# Altium PCB DM0255.PcbDoc (continued)
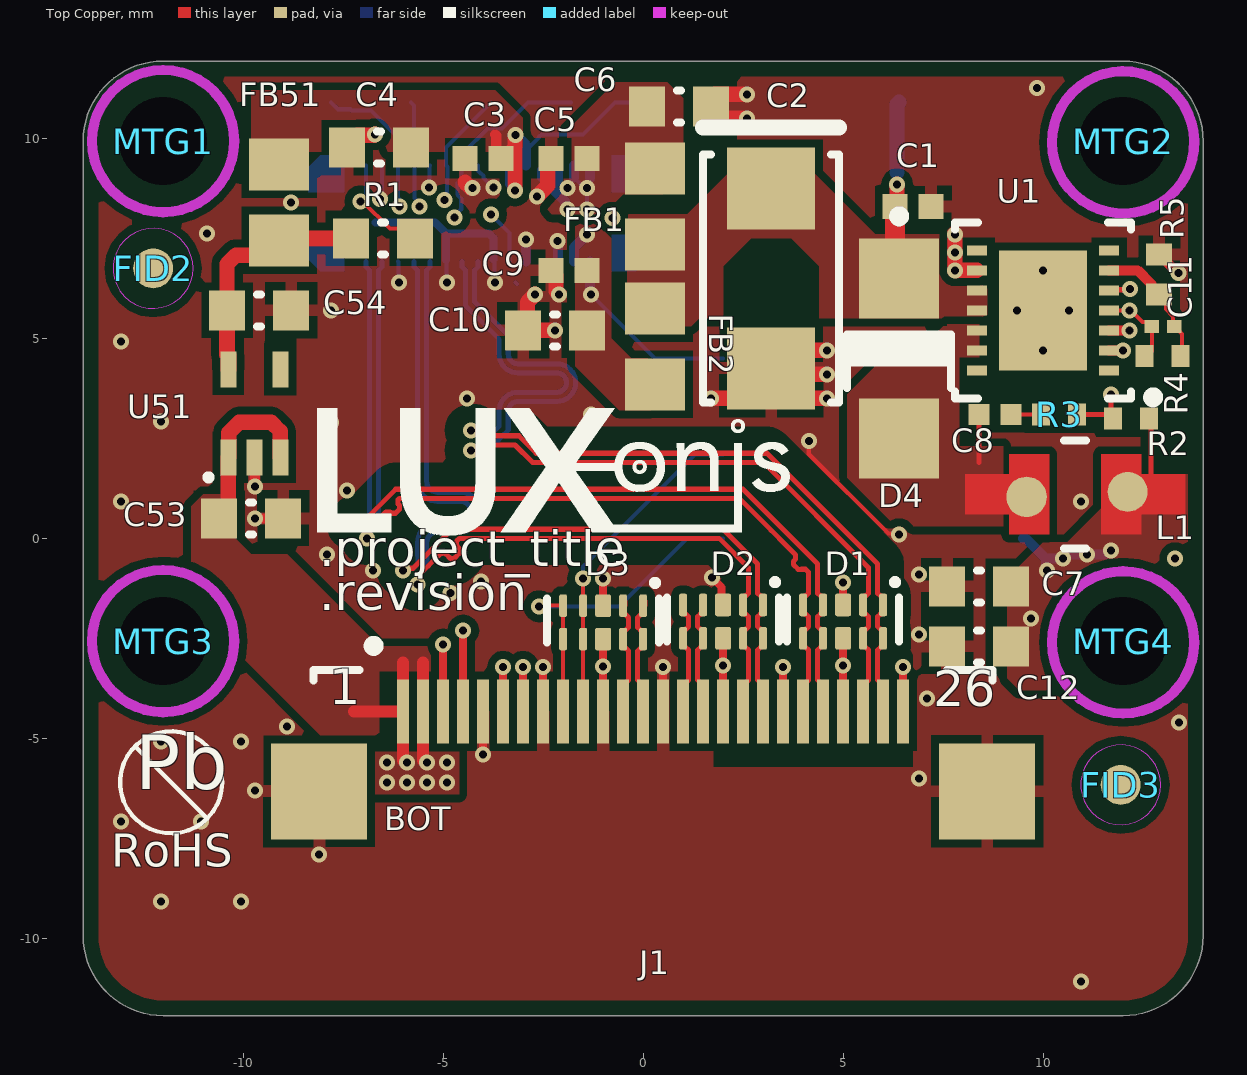
[diagram p0: Top Copper view]
## Part data (continued)
R2: library part CRCW040290K9FKED, "Fixed Resistor, Metal Glaze/thick Film, 0.063W, 90900ohm, 50V, 1% +/-Tol, 100ppm/Cel, Surface Mount, 0402", Manufacturer 1=Vishay, Max Operating Temperature=155°C, Min Operating Temperature=-55°C, Package Height=0.35mm, Package Length=1mm, Package Shape=Rectangular, Package Style=SMTMeter, Package Width=0.5mm, Rated Power Dissipation (P)=63mW, Rated Temperature=70°C, Resistance=90.9kR, Resistor Type="FIXED RESISTOR", Supplier Part Number 1=6789639, Temperature Coefficient=100ppm/°C, Tolerance=1%, Working Voltage=50V, Category="Chip SMD Resistors", ComponentLink1Description=https://datasheet.ciiva.com:443/pdfs/VipMasterIC/IC/VISH/VISH-S-A0007266705/VISH-S-A0007266705-1.pdf?src-supplier=IHS+Markit, ComponentLink1URL=https://datasheet.ciiva.com:443/pdfs/VipMasterIC/IC/VISH/VISH-S-A0007266705/VISH-S-A0007266705-1.pdf?src-supplier=IHS+Markit, ComponentLink2Description=https://datasheet.ciiva.com/11809/0900766b80d98824-11809982.pdf?src-supplier=RSComponents, ComponentLink2URL=https://datasheet.ciiva.com/11809/0900766b80d98824-11809982.pdf?src-supplier=RSComponents, ComponentLink3Description=https://datasheet.ciiva.com/2463/dcrcwe3-2463792.pdf?src-supplier=Digi-Key, ComponentLink3URL=https://datasheet.ciiva.com/2463/dcrcwe3-2463792.pdf?src-supplier=Digi-Key, ComponentLink4Description=https://datasheet.ciiva.com/16763/70201119-16763494.pdf?src-supplier=Allied+Electronics, ComponentLink4URL=https://datasheet.ciiva.com/16763/70201119-16763494.pdf?src-supplier=Allied+Electronics, ComponentLink5Description=https://datasheet.ciiva.com/5919/1697337-5919063.pdf?src-supplier=Farnell, ComponentLink5URL=https://datasheet.ciiva.com/5919/1697337-5919063.pdf?src-supplier=Farnell, ComponentLink6Description=https://datasheet.ciiva.com/7816/1697337-7816027.pdf?src-supplier=Element14, ComponentLink6URL=https://datasheet.ciiva.com/7816/1697337-7816027.pdf?src-supplier=Element14, ComponentLink7Description=https://datasheet.ciiva.com/7743/125364-7743772.pdf?src-supplier=Element14, ComponentLink7URL=https://datasheet.ciiva.com/7743/125364-7743772.pdf?src-supplier=Element14, ComponentLink8Description=https://datasheet.ciiva.com/7816/1697337-7816028.pdf?src-supplier=Element14, ComponentLink8URL=https://datasheet.ciiva.com/7816/1697337-7816028.pdf?src-supplier=Element14, ComponentLink9Description=https://datasheet.ciiva.com/2463/dcrcwe3-2463790.pdf?src-supplier=Digi-Key, ComponentLink9URL=https://datasheet.ciiva.com/2463/dcrcwe3-2463790.pdf?src-supplier=Digi-Key, ComponentLink10Description=https://datasheet.ciiva.com/5548/dcrcwe3-109170-5548606.pdf?src-supplier=Mouser, ComponentLink10URL=https://datasheet.ciiva.com/5548/dcrcwe3-109170-5548606.pdf?src-supplier=Mouser, ComponentLink11Description=https://datasheet.ciiva.com/2463/dcrcwe3-2463791.pdf?src-supplier=Digi-Key, ComponentLink11URL=https://datasheet.ciiva.com/2463/dcrcwe3-2463791.pdf?src-supplier=Digi-Key, ComponentLink12Description=https://datasheet.ciiva.com/3256/dcrcwe3-3256879.pdf?src-supplier=Avnet, ComponentLink12URL=https://datasheet.ciiva.com/3256/dcrcwe3-3256879.pdf?src-supplier=Avnet, Construction=Chip, JESD-609 Code=e3, Manufacturer Part Number 1=CRCW040290K9FKED, Mount="Surface Mount", Number of Pins=2, Packaging="Tape and Reel", Pricing 1="50=0,05200, 250=0,04800, 500=0,04500, 1000=0,04300, 2500=0,03900 (USD)", REACH SVHC=Yes, Reference Standard=AEC-Q200, RoHS=Yes, RoHS Compliant=Yes, Size Code=0402, Stock 1=1, Supplier 1=RSComponents, Technology="METAL GLAZE/THICK FILM", Terminal Finish=Nickel, Termination=Wraparound
R3: library part CRCW040235K7FKED, "Fixed Resistor, Metal Glaze/thick Film, 0.063W, 35700ohm, 50V, 1% +/-Tol, 100ppm/Cel, Surface Mount, 0402", Manufacturer 1=Vishay, Max Operating Temperature=155°C, Min Operating Temperature=-55°C, Package Height=0.35mm, Package Length=1mm, Package Shape=Rectangular, Package Style=SMTMeter, Package Width=0.5mm, Rated Power Dissipation (P)=63mW, Rated Temperature=70°C, Resistance=35.7kR, Resistor Type="FIXED RESISTOR", Supplier Part Number 1=541-35.7KLCT-ND, Temperature Coefficient=100ppm/°C, Tolerance=1%, Working Voltage=50V, Category="Chip SMD Resistors", ComponentLink1Description=https://datasheet.ciiva.com:443/pdfs/VipMasterIC/IC/VISH/VISH-S-A0007266705/VISH-S-A0007266705-1.pdf?src-supplier=IHS+Markit, ComponentLink1URL=https://datasheet.ciiva.com:443/pdfs/VipMasterIC/IC/VISH/VISH-S-A0007266705/VISH-S-A0007266705-1.pdf?src-supplier=IHS+Markit, ComponentLink2Description=https://datasheet.ciiva.com/2495/dcrcwe3-2495171.pdf?src-supplier=Digi-Key, ComponentLink2URL=https://datasheet.ciiva.com/2495/dcrcwe3-2495171.pdf?src-supplier=Digi-Key, ComponentLink3Description=https://datasheet.ciiva.com/2495/dcrcwe3-2495172.pdf?src-supplier=Digi-Key, ComponentLink3URL=https://datasheet.ciiva.com/2495/dcrcwe3-2495172.pdf?src-supplier=Digi-Key, ComponentLink4Description=https://datasheet.ciiva.com/22705/1697337-22705820.pdf?src-supplier=Element14, ComponentLink4URL=https://datasheet.ciiva.com/22705/1697337-22705820.pdf?src-supplier=Element14, ComponentLink5Description=https://datasheet.ciiva.com/2495/dcrcwe3-2495170.pdf?src-supplier=Digi-Key, ComponentLink5URL=https://datasheet.ciiva.com/2495/dcrcwe3-2495170.pdf?src-supplier=Digi-Key, ComponentLink6Description=https://datasheet.ciiva.com/7743/125364-7743609.pdf?src-supplier=Element14, ComponentLink6URL=https://datasheet.ciiva.com/7743/125364-7743609.pdf?src-supplier=Element14, ComponentLink7Description=https://datasheet.ciiva.com/5545/dcrcwe3-109170-5545132.pdf?src-supplier=Mouser, ComponentLink7URL=https://datasheet.ciiva.com/5545/dcrcwe3-109170-5545132.pdf?src-supplier=Mouser, ComponentLink8Description=https://datasheet.ciiva.com/22869/70201119-22869919.pdf?src-supplier=Allied+Electronics, ComponentLink8URL=https://datasheet.ciiva.com/22869/70201119-22869919.pdf?src-supplier=Allied+Electronics, Construction=Chip, JESD-609 Code=e3, Manufacturer Part Number 1=CRCW040235K7FKED, Mount="Surface Mount", Number of Pins=2, Packaging="Tape and Reel", Pricing 1="1=0,10000, 10=0,03800, 100=0,01530, 1000=0,00686, 2500=0,00595, 5000=0,00492 (USD)", REACH SVHC=Yes, Reference Standard=AEC-Q200, RoHS=Yes, RoHS Compliant=Yes, Size Code=0402, Stock 1=8444, Supplier 1=Digi-Key, Technology="METAL GLAZE/THICK FILM", Terminal Finish=Nickel, Termination=Wraparound
R4: library part RC0402FR-0740K2L, "RES SMD 40.2K OHM 1% 1/16W 0402", Case Code (Imperial)=0402, Case Code (Metric)=1005, Manufacturer 1=Yageo, Max Operating Temperature=155°C, Max Power Dissipation=63mW, Min Operating Temperature=-55°C, Package Quantity=1, Power Rating=62.5mW, Resistance=40.2kR, Supplier Part Number 1=311-40.2KLRCT-ND, Temperature Coefficient=100ppm/°C, Tolerance=1%, Voltage Rating=50V, Case/Package=0402, ComponentLink1Description=https://datasheet.ciiva.com/2453/pyu-r-int-thick-7-2453437.pdf?src-supplier=Digi-Key, ComponentLink1URL=https://datasheet.ciiva.com/2453/pyu-r-int-thick-7-2453437.pdf?src-supplier=Digi-Key, ComponentLink2Description=https://datasheet.ciiva.com/2453/pyu-r-int-thick-7-2453438.pdf?src-supplier=Digi-Key, ComponentLink2URL=https://datasheet.ciiva.com/2453/pyu-r-int-thick-7-2453438.pdf?src-supplier=Digi-Key, ComponentLink3Description=https://datasheet.ciiva.com/8889/pyu-rc0402-51-rohs-l-6-8889263.pdf?src-supplier=Avnet, ComponentLink3URL=https://datasheet.ciiva.com/8889/pyu-rc0402-51-rohs-l-6-8889263.pdf?src-supplier=Avnet, ComponentLink4Description=https://datasheet.ciiva.com/28400/pyu-rc0402-51-rohs-l-6-28400199.pdf?src-supplier=Avnet+Europe, ComponentLink4URL=https://datasheet.ciiva.com/28400/pyu-rc0402-51-rohs-l-6-28400199.pdf?src-supplier=Avnet+Europe, ComponentLink5Description=https://datasheet.ciiva.com/2453/pyu-r-int-thick-7-2453436.pdf?src-supplier=Digi-Key, ComponentLink5URL=https://datasheet.ciiva.com/2453/pyu-r-int-thick-7-2453436.pdf?src-supplier=Digi-Key, ComponentLink6Description=https://datasheet.ciiva.com/5557/pyu-rc0402-51-rohs-l-6-r-5557981.pdf?src-supplier=Mouser, ComponentLink6URL=https://datasheet.ciiva.com/5557/pyu-rc0402-51-rohs-l-6-r-5557981.pdf?src-supplier=Mouser, ComponentLink7Description=https://datasheet.ciiva.com/16744/pyu-rc0402-51-rohs-l-6-r-16744286.pdf?src-supplier=Future+Electronics, ComponentLink7URL=https://datasheet.ciiva.com/16744/pyu-rc0402-51-rohs-l-6-r-16744286.pdf?src-supplier=Future+Electronics, ComponentLink8Description=https://datasheet.ciiva.com/16857/pyu-rc0402-51-rohs-l-6-16857071.pdf?src-supplier=Avnet+Europe, ComponentLink8URL=https://datasheet.ciiva.com/16857/pyu-rc0402-51-rohs-l-6-16857071.pdf?src-supplier=Avnet+Europe, Composition="Thick Film", Contact Plating=Tin,Matte, Depth=0.5mm, Features="Moisture Resistant", Height=0.016inch, Lead Free="Lead Free", Length=0.039inch, Manufacturer Part Number 1=RC0402FR-0740K2L, Military Standard=Not, Number of Terminations=2, Packaging="Tape and Reel", Pricing 1="1=0.10000, 10=0.01600, 100=0.00640, 1000=0.00289, 2500=0.00251, 5000=0.00207 (USD)", RoHS=Yes, Stock 1=1379708, Supplier 1=Digi-Key, Supplier 2=Mouser, Supplier 3=TTI, Supplier Part Number 2=603-RC0402FR-0740K2L, Supplier Part Number 3=RC0402FR-0740K2L, Termination=SMD/SMT, Voltage Rating (DC)=50V, Width=0.02inch
R5: library part RC0402FR-0722K1L, "RES SMD 22.1K OHM 1% 1/16W 0402", Case Code (Imperial)=0402, Case Code (Metric)=1005, Manufacturer 1=Yageo, Max Operating Temperature=155°C, Max Power Dissipation=63mW, Min Operating Temperature=-55°C, Package Quantity=1, Power Rating=62.5mW, Resistance=22.1kR, Supplier Part Number 1=311-22.1KLRCT-ND, Temperature Coefficient=100ppm/°C, Tolerance=1%, Voltage Rating=50V, Case/Package=0402, Category="Chip SMD Resistors", ComponentLink1Description=https://datasheet.ciiva.com/2553/pyu-r-int-thick-7-2553200.pdf?src-supplier=Digi-Key, ComponentLink1URL=https://datasheet.ciiva.com/2553/pyu-r-int-thick-7-2553200.pdf?src-supplier=Digi-Key, ComponentLink2Description=https://datasheet.ciiva.com/2553/pyu-r-int-thick-7-2553201.pdf?src-supplier=Digi-Key, ComponentLink2URL=https://datasheet.ciiva.com/2553/pyu-r-int-thick-7-2553201.pdf?src-supplier=Digi-Key, ComponentLink3Description=https://datasheet.ciiva.com/2553/pyu-r-int-thick-7-2553202.pdf?src-supplier=Digi-Key, ComponentLink3URL=https://datasheet.ciiva.com/2553/pyu-r-int-thick-7-2553202.pdf?src-supplier=Digi-Key, ComponentLink4Description=https://datasheet.ciiva.com/15189/getdatasheetpartid-251817-15189388.pdf?src-supplier=Verical, ComponentLink4URL=https://datasheet.ciiva.com/15189/getdatasheetpartid-251817-15189388.pdf?src-supplier=Verical, ComponentLink5Description=https://datasheet.ciiva.com/7983/1018594-7983501.pdf?src-supplier=Element14, ComponentLink5URL=https://datasheet.ciiva.com/7983/1018594-7983501.pdf?src-supplier=Element14, Composition="Thick Film", Depth=0.5mm, Features="Moisture Resistant", Height=0.016inch, Lead Free="Lead Free", Length=1mm, Manufacturer Part Number 1=RC0402FR-0722K1L, Military Standard=Not, Number of Terminations=2, Packaging="Tape and Reel", Pricing 1="1=0.10000, 10=0.01600, 100=0.00640, 1000=0.00289, 2500=0.00251, 5000=0.00207 (USD)", REACH SVHC="No SVHC", RoHS=Yes, Stock 1=22819, Supplier 1=Digi-Key, Supplier 2=Digi-Key, Supplier 3="Future Electronics", Supplier 4=Mouser, Supplier Part Number 2=311-22.1KLRTR-ND, Supplier Part Number 3=RC0402FR-0722K1L-CUTT, Supplier Part Number 4=603-RC0402FR-0722K1L, Termination=SMD/SMT, Voltage Rating (DC)=50V, Width=0.02inch, Working Voltage=50V
TP1 TP2 TP3 TP4 TP5 TP6 TP7 TP8 TP50 TP51 TP52 TP55 TP56 TP57: library part TEST_POINT
U1: "General Purpose, Gated Oscillator Based, DC/DC Boost Converter, 14-pin LLP", Manufacturer="National Semiconductor", Manufacturer 1="Texas Instruments", PackageTopMarking=NS*UZXYTT*2623AB, PowerWise=N, ComponentLink1Description="LM2623 Datasheet", ComponentLink1URL=http://www.national.com/ds/LM/LM2623.pdf, ComponentLink2Description="LM2623 Web Page", ComponentLink2URL=http://www.national.com/pf/LM/LM2623.html, ComponentLink3Description="LDA14A Package Page", ComponentLink3URL=http://www.national.com/packaging/folders/lda14a.html, CompType=MiscPower, DatasheetVersion=Dec-2005, Manufacturer Part Number 1=LM2623LD, PackageDescription="LLP, Plastic, Dual, 4 x 4 x 0.75mm Body, 14 Lead, 0.5mm Pitch", PackageReference=LDA14A, PackageVersion="revA, Aug-2000", PinCount=14, RevisionNote="Component URLs added", RoHS=N
U51: "IC REG LINEAR 1.8V 200MA SC70-5 Linear Voltage Regulator IC  1 Output  200mA SC-70-5", Case/Package=SC, Dropout Voltage=175mV, Manufacturer 1="Texas Instruments", Manufacturer Part Number 1=TLV70018DCKR, Manufacturer Part Number 2=TLV70018DCKT, Max Input Voltage=5.5V, Max Operating Temperature=125°C, Max Output Current=200mA, Max Output Voltage=1.8V, Max Power Dissipation=320mW, Min Current Limit=220mA, Min Input Voltage=2V, Min Operating Temperature=-40°C, Nominal Supply Current=31uA, Output Voltage Accuracy=2%, Package Quantity=1, Quiescent Current=30uA, Supplier Part Number 1=296-32409-1-ND, Accuracy=2%, ComponentLink1Description=https://datasheet.ciiva.com/41462/001014631-da-01-en-ic-reg-ldo-1-8v-0-tlv70018dckr-sot-5-tid-41462480.pdf?src-supplier=Conrad, ComponentLink1URL=https://datasheet.ciiva.com/41462/001014631-da-01-en-ic-reg-ldo-1-8v-0-tlv70018dckr-sot-5-tid-41462480.pdf?src-supplier=Conrad, ComponentLink2Description=https://datasheet.ciiva.com/22700/1882059-22700171.pdf?src-supplier=Element14, ComponentLink2URL=https://datasheet.ciiva.com/22700/1882059-22700171.pdf?src-supplier=Element14, ComponentLink3Description=https://datasheet.ciiva.com/14149/tlv700-eng-ds-14149837.pdf?src-supplier=Distrelec, ComponentLink3URL=https://datasheet.ciiva.com/14149/tlv700-eng-ds-14149837.pdf?src-supplier=Distrelec, ComponentLink4Description=https://datasheet.ciiva.com/7992/1882059-7992894.pdf?src-supplier=Element14, ComponentLink4URL=https://datasheet.ciiva.com/7992/1882059-7992894.pdf?src-supplier=Element14, Contact Plating=Gold, Height=1mm, Lead Free="Lead Free", Length=2.15mm, Manufacturer 2="Texas Instruments", Min Output Voltage=1.8V, Nominal Output Voltage=1.8V, Number of Outputs=1, Number of Pins=5, Number of Regulators=1, Output Current=200mA, Output Type=Fixed, Output Voltage=1.8V, Packaging="Tape and Reel", Polarity=Positive, Power Dissipation=320mW, Power Rating=320mW, Pricing 1="1=0.48000, 10=0.40900, 100=0.30570, 500=0.24020, 1000=0.18561 (USD)", Pricing 2="1=0.55000, 10=0.46700, 100=0.34900 (USD)", Radiation Hardening=No, REACH SVHC="No SVHC", RoHS=Yes, Stock 1=63905, Stock 2=13188, Supplier 1=Digi-Key, Supplier 2=Digi-Key, Supplier Part Number 2=296-25269-1-ND, Width=1.4mm

## Via types
v1: diameter 0.4, hole 0.2, Top Copper to Bottom Layer, tented both sides, 118 vias
v2: diameter 0.51, hole 0.2, Top Copper to Bottom Layer, 4 vias

## Nets (pads, with @x,y where several pads share a name; then routed paths per layer and width w, separated by ;. In a path a pad name is that pad's centre, name@x,y a point inside that pad or via, vN(x,y) a via of type N, cw(c..) or ccw(c..) an arc to the next point about the centre after c; other vN are vias at no path point)
1V8: C54.2 FB51.1 R1.2 U51.5 | length 6
  Top Copper w0.381: C54.2 -10.4,6.857 -10.177,7.081 -9.469,7.081 FB51.1
  Top Copper w0.4: C54.2 -10.4,4.6 -10.371,4.571 U51.5 ; FB51.1 -9.05,7.5 R1.2
1V8_M: C3.2 C4.2 FB51.2 J2.10 J2.12 J2.14 TP51.1 | length 8.8
  Top Copper w0.254: -3.7,10.1 -3.672,10.072 -3.672,9.622 C3.2 -3.2,9.85
  Top Copper w0.38: v1(-3.2,8.7) -3.2,9.85 -3.2,10.066 -3.194,10.072 -3.194,10.086 v1(-3.19,10.09)
  Bottom Layer w0.102: v1(-3.2,8.7) v1@-3.2,8.74
  Bottom Layer w0.104: J2.14 J2.12 J2.10 ; v1(-3.19,10.09) -3.19,10.01 -2.925,9.745 -2.9,9.72 -2.6,10.02 -2.6,10.039 -2.539,10.1 -2.162,10.1 ; -2.151,10.1 -1.5,10.1 ; -1.493,10.107 -0.7,10.9 TP51.1
  Bottom Layer w0.254: J2.12 -3.325,8.864 v1@-3.2,8.74 ; v1(-3.19,10.09) -2.925,9.825 -2.925,9.745 J2.10
3V3: C7.2 C12.2 C53.2 J1.1 J1.2 L1.1 R2.2 TP50.1 U51.1 U51.3 | length 15.2
  Top Copper w0.127: 12.7,1.2 12.7,1.4 R2.2@12.7,3
  Top Copper w0.2: J1.1@-6,-4.391 J1.1
  Top Copper w0.3: -7.225,-4.325 J1.1 ; v1@-6,-5.55 J1.1 ; -6,-3.1 J1.1 ; v1@-5.5,-5.55 J1.2 -5.5,-3.1
  Top Copper w0.381: C53.2 -10.371,0.729 U51.1 -10.362,2.034 -10.362,2.638 -10.1,2.9 -9.294,2.9 -9.071,2.677 U51.3
  Bottom Layer w0.254: TP50.1 9.56,0 10.06,-0.5 10.08,-0.5 ; v1@10.1,-0.82 10.08,-0.8 10.08,-0.5 ; v1(10.5,-0.5) 10.08,-0.5 ; v1@10.54,-0.5 10.64,-0.4 v1(11.1,-0.4) ; v1@11.06,-0.4 11.56,-0.4 11.633,-0.328 v1@11.672,-0.367
  other v1: -6.398,-6.098 -5.898,-6.098 -5.398,-6.098 -4.898,-6.098 -6.398,-5.598 -5.898,-5.598 -5.398,-5.598 -4.898,-5.598 9.7,-2 10.1,-0.8 11.7,-0.3
3V6_M: C9.2 C10.2 FB2.2 J2.1 J2.3 TP7.1 | length 5.6
  Bottom Layer w0.102: v1@-1.325,6.125 v1(-1.3,6.1) 0.3,4.5 TP7.1
  Bottom Layer w0.254: J2.3 -1.725,7.275 v1(-1.4,7.6) ; v1@-1.325,6.125 J2.1
AUX_IO1: J1.3 J2.20 TP1.1 | length 20.9
  Top Copper w0.2: J1.3 v1(-5,-2.658)
  Layer 1 w0.102: v1(-5,-2.658) -5.052,-2.658 -5.209,-2.502 -6.898,-2.502 -8.544,-0.856 -8.544,6.656 -7.298,7.902 -5.332,7.902 -5.021,8.212 -5.021,8.399 v1(-4.967,8.453)
  Bottom Layer w0.102: v1(-4.967,8.453) -4.91,8.51 -4.91,8.652 -4.9,8.662 -4.9,8.972 -4.891,8.982 -4.891,9.291 J2.20 -4.925,9.775 TP1.1
AUX_IO2: J1.4 J2.18 TP2.1 | length 23.1
  Top Copper w0.2: J1.4 v1(-4.498,-2.307) v1(-4.498,-2.307)
  Layer 1 w0.102: v1(-4.717,8.021) -4.717,7.992 -5.009,7.7 -7.2,7.7 -8.332,6.568 -8.332,-0.768 -6.8,-2.3 -4.505,-2.3 v1(-4.498,-2.307)
  Bottom Layer w0.104: v1(-4.717,8.021) -4.717,8.061 -4.548,8.23 -4.548,8.498 -4.639,8.589 -4.639,8.88 -4.539,8.98 -4.539,9.31 -4.477,9.373 -4.477,9.655 -3.883,10.248 -3.53,10.248 -2.878,10.9 TP2.1
CAM_CLK: D3.5 D3.6 J1.9 J2.11 TP5.1 | length 38.3
  Top Copper w0.1: v1(-2.6,-1.7) -2.583,-1.683 D3.5 D3.6 J1.9
  Layer 1 w0.1: v1(-3.8,8.1) -4.147,8.1 -4.637,8.59 -4.637,8.88 -5.407,9.65 -8.35,9.65 -10.189,7.811 -10.189,-1.152 -7.341,-4 -2.6,-4 -2.1,-3.5 -2.1,-2.8 -2.6,-2.3 v1(-2.6,-1.7)
  Bottom Layer w0.1: v1(-2.6,-1.7) -0.6,-1.7 1.1,0 TP5.1
  Bottom Layer w0.102: v1(-3.8,8.1) -3.337,7.637 -3.337,6.937 J2.11
CAM_RST: D3.4 D3.7 J1.10 J2.30 R1.1 TP6.1 | length 30.8
  Top Copper w0.104: v1(-7.069,8.425) -7.011,8.425 -6.332,7.745 -5.945,7.745 R1.1 ; J1.10 D3.4 v1(-1.5,-1)
  Layer 1 w0.104: v1(-7.069,8.425) -7.375,8.425 -8.831,6.969 -8.831,-1.048 -6.868,-3.01 -3.81,-3.01 -3.035,-2.235 -3.035,-1.527 -2.507,-1 v1(-1.5,-1)
  Bottom Layer w0.104: v1(-7.069,8.425) -7.069,8.43 -6.925,8.574 J2.30 ; v1(-1.5,-1) -1.5,-0.7 1.3,2.1 TP6.1
GND: C1.1 C2.2 C3.1 C4.1 C5.1 C6.1 C7.1 C9.1 C10.1 C12.1 C53.1 C54.1 D1.3 D1.8 D2.3 D2.8 D3.3 D3.8 J1.5 J1.8 J1.11 J1.14 J1.17 J1.20 J1.23 J1.26 J1.MP1 J1.MP2 J2.5 J2.9 J2.13 J2.16 J2.19 J2.22 J2.25 J2.28 J2.31 J2.32 J2.33 J2.34 R5.1 TP52.1 TP55.1 TP56.1 TP57.1 U1.2 U1.3 U1.9 U51.2 | length 42.9
  Top Copper w0.102: v1(4.141,2.428) 4.141,2.114 6.13,0.125 6.375,0.125 v1(6.4,0.1)
  Top Copper w0.2: v1(-4,-5.4) J1.5 ; J1.8 v1(-2.5,-3.217) ; J1.11 v1(-1,-3.2) D3.8 ; D3.3 v1(-1,-1) ; J1.14 v1(0.5,-3.217) ; v1(1.716,-0.974) 1.965,-1.223 1.965,-1.63 D2.3 ; J1.17 v1(2,-3.183) D2.8 ; J1.20 v1(3.5,-3.217) ; J1.23 v1(5,-3.183) D1.8 ; D1.3 v1(5,-1.1) ; J1.26 v1(6.5,-3.217)
  Top Copper w0.254: U51.2 -9.711,2.014 -9.711,1.311 v1(-9.7,1.3) ; v1(-9.7,0.5) C53.1 ; U1.2 v1(12,4.7) ; U1.3 v1(12.164,5.2) ; R5.1 12.95,7.1 13.098,6.952 13.098,6.902 13.368,6.632 v1(13.379,6.632)
  Top Copper w0.381: C4.1 -7.173,9.996 -7.173,10.046 -7.14,10.079 -6.726,10.079 -6.705,10.1 v1(-6.7,10.1) ; -4.453,8.901 -4.318,8.766 -4.266,8.766 v1(-4.262,8.762) ; v1(-2.7,6.1) -2.7,6.095 -2.89,5.904 -2.89,5.309 C10.1 v1(-2.2,5.2) ; v1(-2.654,8.546) -2.654,8.551 -2.385,8.82 -2.385,9.415 C5.1 ; C9.1 -2.181,6.58 -2.181,6.186 -2.1,6.105 v1(-2.1,6.1) ; v1(1.7,3.5) 2.291,3.5 2.6,3.809 C2.2@2.6,4 ; C6.1@1.8,10.5 v1(2.6,10.5) ; C6.1@1.8,11.1 v1(2.6,11.1) ; C2.2@4,3.7 4,3.61 4.11,3.5 v1(4.6,3.5) ; C2.2@4,4.4 4,4.21 4.11,4.1 v1(4.6,4.1) ; C2.2@4,5 4,4.81 4.11,4.7 v1(4.6,4.7) ; v1(7.8,7.6) v1(7.798,7.148) v1(7.798,7.148) 7.8,7.146 v1(7.8,6.7) U1.9
  Layer 1 w0.102: -8,9.3 -5.876,9.3 v1(-5.351,8.774)
  Bottom Layer w0.102: v1(-6.572,8.483) -6.525,8.531 J2.28 ; J2.25 -6.112,6.913 -6.112,6.412 v1(-6.1,6.4) ; J2.19 -4.912,6.913 -4.912,6.412 v1(-4.9,6.4) ; J2.16 -4.125,9.19 -4.061,9.126 -4.05,9.126 -3.991,9.066 -3.991,9.012 -3.752,8.774 v1(-3.746,8.774) ; J2.13 -3.712,6.913 -3.712,6.412 v1(-3.7,6.4) ; -3.187,6.4 -3.148,6.361
  Bottom Layer w0.104: v1(-5.351,8.774) -5.338,8.787 -5.338,9.312 J2.22
  Bottom Layer w0.2: -6.685,7.894 -5.197,7.894 -4.924,7.621 ; J2.19@-4.924,6.958 -4.924,7.621 ; J2.13@-3.734,6.97 -3.734,7.504 -3.852,7.621 -4.924,7.621
  Bottom Layer w0.254: J2.9 v1(-2.925,7.475) ; J2.5 v1@-2.125,7.425
  other v1: 10.945,-11.08 -12.055,-9.08 -10.055,-9.08 -8.1,-7.9 -13.055,-7.08 -11.055,-7.08 -9.7,-6.3 6.9,-6 -12.055,-5.08 -10.055,-5.08 -8.9,-4.7 13.4,-4.6 7.1,-4 6.9,-2.4 -4.817,-1.368 -4.055,-1.08 6.9,-0.9 -6.754,-0.802 13.3,-0.5 -7.9,-0.4 -13.055,0.92 10.945,0.92 -7.4,1.2 -3.9,1.8 -7.8,2.9 -12.055,2.92 -1.3,3.1 -4.4,3.5 -13.055,4.92 -7.8,5.7 -2.137,7.438 -10.905,7.622 -0.77,8.014 -8.8,8.4 9.849,11.263
I2C_SCL: J1.7 J2.24 TP4.1 | length 24.7
  Top Copper w0.2: J1.7 v1(-3,-3.217)
  Layer 1 w0.102: v1(-5.587,8.302) -5.629,8.344 -5.629,8.556 -5.701,8.628 -6.122,9.049 -7.586,9.049 -9.33,7.306 -9.33,-1.314 -7.204,-3.439 -7.191,-3.439 -7.03,-3.6 -3.382,-3.6 v1(-3,-3.217)
  Bottom Layer w0.102: TP4.1 -5.725,10.825 J2.24 -5.72,9.321 -5.72,8.511 -5.587,8.378 v1(-5.587,8.302)
I2C_SDA: J1.6 J2.26 TP3.1 | length 23.8
  Top Copper w0.2: J1.6 v1(-3.5,-3.217)
  Layer 1 w0.104: v1(-6.087,8.3) -6.137,8.35 -6.137,8.546 -6.437,8.846 -7.454,8.846 -9.127,7.173 -9.127,-1.23 -7.12,-3.236 -3.518,-3.236 v1(-3.5,-3.217)
  Bottom Layer w0.104: TP3.1 -7.629,10.729 -7.32,10.729 -7.291,10.7 -6.8,10.7 -6.125,10.025 J2.26 -6.125,8.509 -6.098,8.483 -6.098,8.311 v1(-6.087,8.3)
MIPI_C_N: D2.1 D2.10 J1.19 J2.23 | length 23.7
  Top Copper w0.127: v1(-6,-0.8) -5.948,-0.748 -5.756,-0.748 -4.779,0.229 1.995,0.229 2.864,-0.641 2.864,-1.372 2.939,-1.446 2.963,-1.446 3,-1.482 D2.1 3,-1.848 2.963,-1.884 2.939,-1.884 2.864,-1.958 2.864,-2.207 2.939,-2.281 2.963,-2.281 3,-2.317 D2.10 3,-2.683 2.963,-2.719 2.939,-2.719 2.864,-2.793 2.864,-3.279 2.864,-3.539 3,-3.675 J1.19
  Bottom Layer w0.127: v1(-6,-0.8) -5.948,-0.748 -5.756,-0.748 -5.752,-0.744 -5.628,-0.62 -5.628,-0.44 -5.639,-0.429 -5.639,-0.106 cw(c-5.143,-0.106) -5.143,0.39 -4.564,0.39 ccw(c-4.564,0.657) -4.564,0.925 -5.143,0.925 cw(c-5.143,1.421) -5.639,1.421 -5.639,1.599 -5.639,6.704 -5.725,6.79 J2.23
MIPI_C_P: D2.2 D2.9 J1.18 J2.21 | length 23.7
  Top Copper w0.127: v1(-5.646,-1.154) -5.594,-1.101 -5.594,-0.909 -5.371,-0.686 -5.092,-0.407 cw(c-5.002,-0.497) -4.912,-0.407 -4.829,-0.49 ccw(c-4.771,-0.431) -4.712,-0.49 -4.595,-0.373 ccw(c-4.654,-0.314) -4.595,-0.255 -4.634,-0.217 cw(c-4.544,-0.127) -4.544,0 -4.385,0 1.9,0 2.636,-0.736 2.636,-1.372 2.561,-1.446 2.536,-1.446 2.5,-1.482 D2.2 2.5,-1.848 2.536,-1.884 2.561,-1.884 2.636,-1.958 2.636,-2.207 2.561,-2.281 2.536,-2.281 2.5,-2.317 D2.9 2.5,-2.683 2.536,-2.719 2.561,-2.719 2.636,-2.793 2.636,-3.185 2.636,-3.539 2.5,-3.675 J1.18
  Bottom Layer w0.127: v1(-5.646,-1.154) -5.594,-1.101 -5.594,-0.909 -5.429,-0.744 -5.399,-0.715 -5.399,-0.346 -5.41,-0.334 -5.41,-0.106 cw(c-5.143,-0.106) -5.143,0.161 -4.564,0.161 ccw(c-4.564,0.657) -4.564,1.154 -5.143,1.154 cw(c-5.143,1.421) -5.41,1.421 -5.41,1.599 -5.41,6.704 -5.325,6.79 J2.21
MIPI_D0_N: D1.1 D1.10 J1.25 J2.17 | length 23.7
  Top Copper w0.127: v1(-4.3,2.7) -4.226,2.7 -4.09,2.564 -3.109,2.564 -2.673,2.129 3.095,2.129 5.864,-0.641 5.864,-1.372 5.939,-1.446 5.964,-1.446 6,-1.482 D1.1 6,-1.848 5.964,-1.884 5.939,-1.884 5.864,-1.958 5.864,-2.207 5.939,-2.281 5.964,-2.281 6,-2.317 D1.10 6,-2.683 5.964,-2.719 5.939,-2.719 5.864,-2.793 5.864,-3.279 5.864,-3.539 6,-3.675 J1.25
  Bottom Layer w0.127: J2.17 -4.525,6.79 -4.439,6.704 -4.439,5.857 -4.439,5.816 -3.849,5.225 -3.6,4.977 -3.6,4.784 -3.6,4.606 ccw(c-3.129,4.606) -3.129,4.136 -2.156,4.136 cw(c-2.156,3.894) -1.914,3.894 cw(c-2.156,3.894) -2.156,3.652 -3.129,3.652 ccw(c-3.129,3.181) -3.6,3.181 -3.6,2.8 -3.809,2.591 -3.836,2.564 -4.09,2.564 -4.226,2.7 v1(-4.3,2.7)
MIPI_D0_P: D1.2 D1.9 J1.24 J2.15 | length 23.7
  Top Copper w0.127: v1(-4.3,2.2) -4.226,2.2 -4.09,2.336 -3.204,2.336 -2.768,1.9 3,1.9 5.636,-0.736 5.636,-1.372 5.561,-1.446 5.537,-1.446 5.5,-1.482 D1.2 5.5,-1.848 5.537,-1.884 5.561,-1.884 5.636,-1.958 5.636,-2.207 5.561,-2.281 5.537,-2.281 5.5,-2.317 D1.9 5.5,-2.683 5.537,-2.719 5.561,-2.719 5.636,-2.793 5.636,-3.185 5.636,-3.539 5.5,-3.675 J1.24
  Bottom Layer w0.127: v1(-4.3,2.2) -4.226,2.2 -4.09,2.336 -3.741,2.336 -3.486,2.591 -3.371,2.705 -3.371,3.181 cw(c-3.129,3.181) -3.129,3.423 -2.156,3.423 ccw(c-2.156,3.894) -1.685,3.894 ccw(c-2.156,3.894) -2.156,4.364 -3.129,4.364 cw(c-3.129,4.606) -3.371,4.606 -3.371,4.784 -3.371,5.071 -4.21,5.91 -4.21,6.704 -4.125,6.79 J2.15
MIPI_D1_N: D1.4 D1.7 J1.22 J2.29 | length 23.7
  Top Copper w0.127: v1(-7.254,0.354) -7.201,0.406 -7.009,0.406 -6.187,1.229 2.495,1.229 4.364,-0.641 4.364,-1.372 4.439,-1.446 4.464,-1.446 4.5,-1.482 D1.4 4.5,-1.848 4.464,-1.884 4.439,-1.884 4.364,-1.958 4.364,-2.207 4.439,-2.281 4.464,-2.281 4.5,-2.317 D1.7 4.5,-2.683 4.464,-2.719 4.439,-2.719 4.364,-2.793 4.364,-3.279 4.364,-3.539 4.5,-3.675 J1.22
  Bottom Layer w0.127: v1(-7.254,0.354) -7.201,0.406 -7.009,0.406 -6.839,0.576 -6.839,6.704 -6.925,6.79 J2.29
MIPI_D1_P: D1.5 D1.6 J1.21 J2.27 | length 23.7
  Top Copper w0.127: v1(-6.9,0) -6.848,0.052 -6.848,0.244 -6.673,0.418 -6.431,0.661 -6.325,0.661 -6.291,0.628 -6.192,0.628 -6.093,0.727 -6.093,0.825 -6.127,0.859 -6.127,0.965 -6.092,1 -6.055,1 2.4,1 3.2,0.2 3.571,-0.171 3.616,-0.216 3.814,-0.414 3.814,-0.519 3.756,-0.576 3.756,-0.655 3.875,-0.774 3.954,-0.774 3.956,-0.772 4.061,-0.772 4.136,-0.846 4.136,-1.004 4.136,-1.372 4.061,-1.446 4.036,-1.446 4,-1.482 D1.5 4,-1.848 4.036,-1.884 4.061,-1.884 4.136,-1.958 4.136,-2.207 4.061,-2.281 4.036,-2.281 4,-2.317 D1.6 4,-2.683 4.036,-2.719 4.061,-2.719 4.136,-2.793 4.136,-3.185 4.136,-3.539 4,-3.675 J1.21
  Bottom Layer w0.127: v1(-6.9,0) -6.848,0.052 -6.848,0.244 -6.61,0.482 -6.61,6.704 -6.525,6.79 J2.27
MIPI_D2_N: D2.4 D2.7 J1.16 | length 2.9
  Top Copper w0.127: J1.16 1.5,-3.675 1.364,-3.539 1.364,-2.793 1.439,-2.719 1.463,-2.719 1.5,-2.683 D2.7 1.5,-2.317 1.463,-2.281 1.439,-2.281 1.364,-2.207 1.364,-1.958 1.439,-1.884 1.463,-1.884 1.5,-1.848 D2.4
MIPI_D2_P: D2.5 D2.6 J1.15 | length 2.9
  Top Copper w0.127: J1.15 1,-3.675 1.136,-3.539 1.136,-2.793 1.061,-2.719 1.036,-2.719 1,-2.683 D2.6 1,-2.317 1.036,-2.281 1.061,-2.281 1.136,-2.207 1.136,-1.958 1.061,-1.884 1.036,-1.884 1,-1.848 D2.5
MIPI_D3_N: D3.1 D3.10 J1.13 | length 3
  Top Copper w0.127: J1.13 0,-3.675 -0.136,-3.539 -0.136,-3.24 -0.136,-2.811 -0.061,-2.737 -0.036,-2.737 0,-2.7 D3.10 0,-2.335 -0.036,-2.298 -0.061,-2.298 -0.136,-2.224 -0.136,-1.976 -0.061,-1.902 -0.036,-1.902 0,-1.865 D3.1 ; D3.1@0.05,-1.683 D3.1@0.05,-1.565
MIPI_D3_P: D3.2 D3.9 J1.12 | length 3
  Top Copper w0.127: J1.12 -0.5,-3.675 -0.364,-3.539 -0.364,-3.334 -0.364,-2.811 -0.439,-2.737 -0.463,-2.737 -0.5,-2.7 D3.9 -0.5,-2.335 -0.463,-2.298 -0.439,-2.298 -0.364,-2.224 -0.364,-1.976 -0.439,-1.902 -0.463,-1.902 -0.5,-1.865 D3.2 ; D3.2@-0.45,-1.683 D3.2@-0.45,-1.565
NetC8_1: C8.1 R3.2 | length 0.8
  Top Copper w0.1: C8.1@9.19,3.1 R3.2
NetC8_2: C8.2 D4.2 L1.2 U1.12 U1.13 | length 2
  Top Copper w0.127: D4.2@6.4,2.8 D4.2@7,3.4 ; 8.4,1.9 C8.2
NetC11_1: C11.1 R4.1 R5.2 U1.6 | length 3.3
  Top Copper w0.1: R5.2@12.875,6.066 13.066,5.875 13.066,5.734 13.249,5.551 13.249,5.331 C11.1 13.3,5.3 13.41,5.19 13.41,5.17 13.475,5.105 13.475,4.625 R4.1@13.5,4.6
  Top Copper w0.254: U1.6 12.363,6.7 12.702,6.361 12.702,6.248 12.85,6.1 R5.2
NetR2_1: R2.1 R3.1 U1.5 | length 5.3
  Top Copper w0.127: R3.1 11.6,3.1 11.7,3 v1(11.7,3.6) ; U1.5 11.666,6.216 12.162,6.216 v1(12.178,6.231)
  Layer 1 w0.2: v1(11.7,3.6) 12.564,4.464 12.564,6.076 12.446,6.193 12.216,6.193 v1(12.178,6.231)
PAD: U1.15
  other v2: 10,4.7 9.35,5.7 10.65,5.7 10,6.7
V_ILLU: C1.2 C2.1 C11.2 D4.1 FB1.1 FB2.1 R4.2 TP8.1 U1.4 U1.10 U1.11 | length 13.9
  Top Copper w0.1: v1(6.35,8.85) v1@6.4,8.9 ; U1.4 v1(12.164,5.7) ; v1@12.2,5.7 12.473,5.427 12.49,5.41 12.61,5.41 C11.2 12.72,4.67 R4.2@12.65,4.6
  Top Copper w0.381: C1.2 6.346,8.346 6.346,8.846 v1(6.35,8.85)
  Top Copper w0.5: C1.2 6.3,6.5 D4.1
  Layer 1 w0.381: v1(6.35,8.85) 9.35,8.85 10.7,7.5 11.2,7.5 11.6,7.1 11.6,6.115 12.012,5.704 12.16,5.704 v1(12.164,5.7)
  Bottom Layer w0.381: 6.35,9.15 6.35,10.85 TP8.1
V_ILLU_M: C5.2 C6.2 FB1.2 J2.2 J2.4 J2.6 J2.8 | length 3.8
  Bottom Layer w0.102: -1.725,9.025 -1.426,8.726 -1.4,8.7 v1@-1.4,8.218
  Bottom Layer w0.104: -2.125,8.928 -1.94,8.744 v1@-1.894,8.744 ; v1(-1.4,8.753) -1.4,8.825 -1.263,8.962 ; J2.2 J2.2@-1.262,9.388
  Bottom Layer w0.254: J2.8@-2.525,9.202 -2.525,9.021 -2.249,8.745 -2.249,8.73 -1.951,8.432 -1.951,8.388 -1.927,8.363 -1.927,8.26 v1(-1.894,8.227) ; -2.125,8.928 J2.6 ; -1.725,9.025 J2.4 ; -1.325,9.023 J2.2
  other v1: -1.4,8.227 -1.894,8.753
pads on no net: FID1.1 FID2.1 FID3.1 FID4.1 J2.7 MTG1.1 MTG2.1 MTG3.1 MTG4.1 U1.1 U1.7 U1.8 U1.14 U51.4

## Polygon pours and split planes (outlines as drawn)
GND on Top Copper "GND_L01_P050" (solid, remove dead copper, pour order 50): -14,-9.931 ccw(c-12,-9.931) -12,-11.931 12,-11.931 ccw(c12,-9.931) 14,-9.931 14,9.931 ccw(c12,9.931) 12,11.931 -12,11.931 ccw(c-12,9.931) -14,9.931
3V3 on Top Copper "¸" (solid, pour order 49): -4.6,-6.4 -4.6,-5.331 -7.3,-5.331 -7.3,-6.4
3V3 on Top Copper "¸" (solid, pour order 46): -6.6,-2.7 -8.9,-0.4 -9.8,-0.4 -10.2,0 -10.2,1.1 -11,1.1 -11.3,0.8 -11.3,-1.7 -6.9,-6.1 -6.6,-6.1
1V8_M on Top Copper "¸" (solid, pour order 45): -9.8,11.2 -9.8,9.671 -3.129,9.671 -3.01,9.79 -3.01,10.51 -3.7,11.2
V_ILLU_M on Top Copper "¸" (solid, pour order 43): -0.7,11.4 0.6,11.4 1,11 1,9.1 0.5,8.6 -0.5,8.6 -1,8.1 -2.4,8.1 -2.8,8.5 -2.8,9.2 -2.7,9.3 -1.9,9.3 -1.9,10.2
NetC8_2 on Top Copper "¸" (solid, pour order 40): 9,2.3 7.9,2.3 7.9,3.9 8.4,3.9 8.4,5.353 7.553,5.353 6.6,4.4 5.9,4.4 5.1,3.6 5.1,1.5 6.3,0.3 9,0.3
3V3 on Top Copper "¸" (solid, pour order 39): 12.3,1.6 10.6,-0.1 10,-0.1 9.1,-1 9.1,-3.5 9.4,-3.8 10.8,-3.8 11.3,-3.3 11.3,-1.6 11.6,-1.3 12.9,-1.3 13.8,-0.4 13.8,1.6
3V3 on Top Copper "¸" (solid, pour order 48): -5.3,-2.7 -5.3,-3.323 -7.3,-3.323 -7.3,-2.7
V_ILLU on Top Copper "¸" (solid, pour order 41): 7.7,6.4 7.7,7.6 5.4,7.6 5.4,5.5 8.6,5.5 8.6,6.4
3V6_M on Top Copper "¸" (solid, pour order 44): 0.2,4.5 -0.3,4.5 -0.8,5 -0.8,7.5 -1.2,7.9 -1.7,7.9 -1.7,4.3 -0.6,3.2 0.2,3.2
V_ILLU on Top Copper "¸" (solid, pour order 42): 5.8,7.6 4,9.4 2.4,9.4 1.1,8.1 -0.4,8.1 -0.4,5.3 1.2,5.3 1.4,5.5 5.8,5.5
GND on Layer 1 "GND_L03_P053" (solid, remove dead copper, pour order 53): -14,-9.931 ccw(c-12,-9.931) -12,-11.931 12,-11.931 ccw(c12,-9.931) 14,-9.931 14,9.931 ccw(c12,9.931) 12,11.931 -12,11.931 ccw(c-12,9.931) -14,9.931
PAD on Layer 1 "¸" (solid, pour order 51): 6.699,9.15 6.699,1.7 11.747,1.7 11.747,9.1 10.8,9.1
3V3 on Layer 1 "¸" (solid, pour order 37): -6.9,-5.3 -6.9,-10 12.1,-10 12.1,0.4 7.5,0.4 7.5,-6.4 -4.6,-6.4 -4.6,-5.3
GND on Bottom Layer "GND_L04_P038" (solid, remove dead copper, pour order 38): -14,-9.931 ccw(c-12,-9.931) -12,-11.931 12,-11.931 ccw(c12,-9.931) 14,-9.931 14,9.931 ccw(c12,9.931) 12,11.931 -12,11.931 ccw(c-12,9.931) -14,9.931
V_ILLU_M on Bottom Layer "¸" (solid, pour order 54): -1,8.984 -1,7.9 -2.5,7.9 -2.5,8.984
GND on Signal Layer 1 "GND_L02_P029" (solid, remove dead copper, pour order 29): -14,-9.931 ccw(c-12,-9.931) -12,-11.931 12,-11.931 ccw(c12,-9.931) 14,-9.931 14,9.931 ccw(c12,9.931) 12,11.931 -12,11.931 ccw(c-12,9.931) -14,9.931

## Keep-outs
Signal Layer 1:
  circle w0.254: c12,9.925 r1.811
Layer 1:
  circle w0.254: c12,9.925 r1.811
Bottom Layer:
  circle w0.254: c12,9.925 r1.811
Keep-Out Layer:
  circle w0.254: c-12,-2.569 r1.778
  circle w0.254: c12,-2.6 r1.778
  circle w0.254: c-12,9.931 r1.778
  lines w0.254: 10.46,9.011 cw(c12,9.9) 10.494,8.954

## Other copper
Top Copper:
  pour cut-out: 2,5.4 2,6.8 2.7,7.5 3.7,7.5 4.4,6.8 4.4,5.4

## Silkscreen, mask and mechanical layers (free items; w line width, h text height)
Top Overlay:
  drawing of 9 lines, arcs and shapes, not listed
  text ".project_title" at -8.1,-1 h1.52
  text ".revision" at -8.1,-2.1 h1.52
  text "Pb" at -12.698,-6.728 h2.34
  text "BOT" at -6.468,-7.491 h1
  text "RoHS" at -13.292,-8.488 h1.4
Bottom Overlay:
  drawing of 7 lines, arcs and shapes, not listed
  text "1V8" at -0.6,11.9 h1 r90
  text "GND" at -10.2,11.8 h1 r90
  text "DA" at -8.045,11.8 h1 r90
  text "CL" at -6.1,11.8 h1 r90
  text "O2" at -4.5,11.8 h1 r90
  text "TR" at -2.4,11.8 h1 r90
  text "GND" at 2.8,11.7 h1 r90
  text "V_ILLU" at 7.9,11.6 h1.02 r90
  text ".project_title" at 7.5,6.9 h1.52 r90
  text ".revision" at 8.6,6.9 h1.52 r90
  text "GND" at 1.1,5.8 h1.02 r180
  text "3V6" at 1.1,4 h1.02 r180
  text "RST" at 1.1,1.4 h1 r180
  text "CLK" at 1.1,-0.7 h1 r180
  text "GND" at 6.5,-0.711 h1.02 r180
  text "3V3" at 8.8,-0.708 h1.02 r180
Board:
  the board outline again, w0.05

## Text inside footprints (layer, text, board x,y; h text height)
J1: Top Overlay "1" at -7.85,-4.45 h1.52; Top Overlay "26" at 7.25,-4.5 h1.52
J2: Bottom Overlay "30" at -6.576,9.712 h0.8; Bottom Overlay "29" at -6.577,6.044 h0.8; Bottom Overlay "2" at -1.143,9.703 h0.8; Bottom Overlay "1" at -1.173,6.044 h0.8